# Altium PCB Cabinet_Device.PcbDoc (part 1 of 6) (continued)
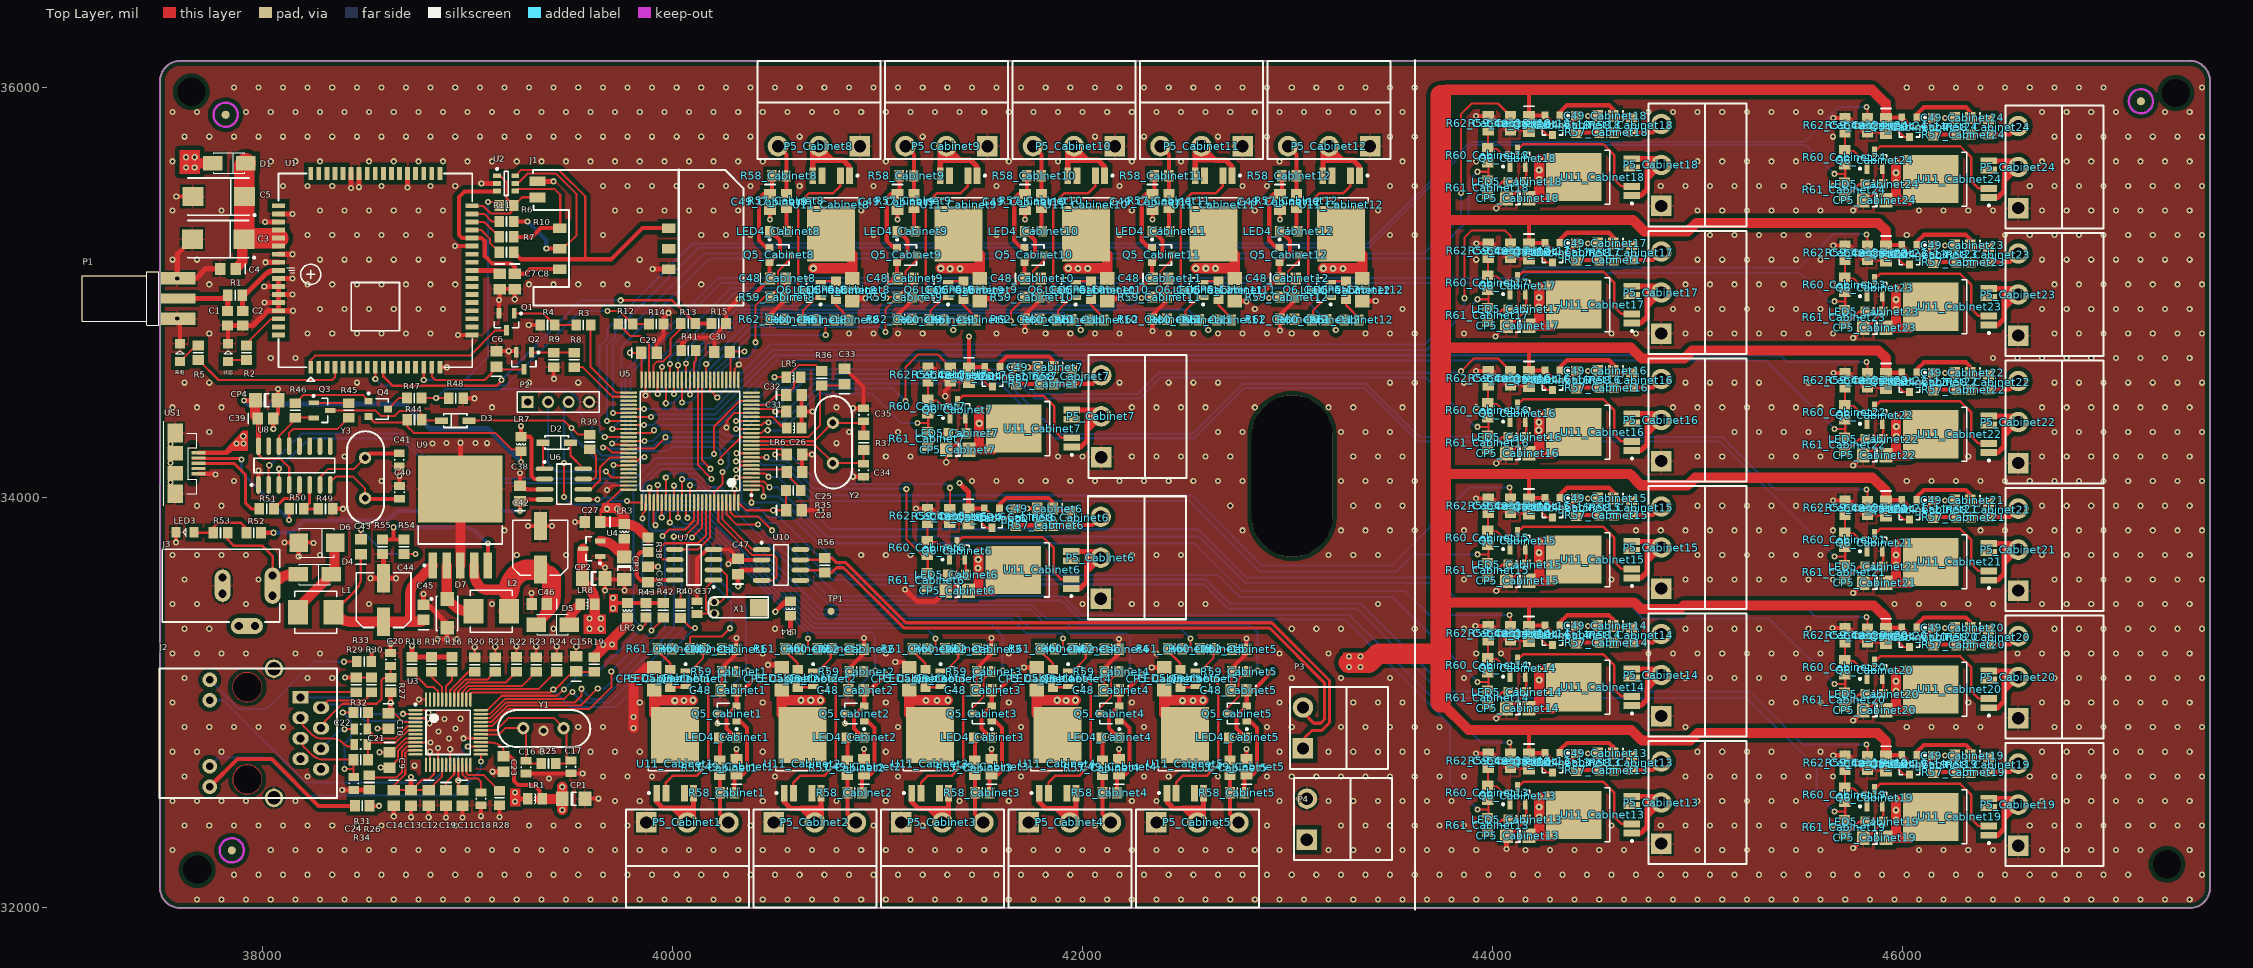
[diagram p0: Top Layer view]
## Components (designator, comment, footprint, x,y, rotation, side; value= is the part's Value field where it differs from the comment)
C1 "NC" 2012[0805] 37829,34874.5 r270 top
C2 "NC" 2012[0805] 37904,34874.5 r270 top
C3 "1000uF/6.3V" 7343[2917]CT 37784,35260.5 r180 top
C4 "CAP 100nF 50V 0805(2012)" 2012[0805]06CD 37831,35115.59 r180 top
C5 "1000uF/6.3V" 7343[2917]CT 37786,35468 r180 top
C6 "CAP 100nF 50V 0805(2012)" 2012[0805]06CD 39142,34676 r90 top
C7 "CAP 100nF 50V 0805(2012)" 2012[0805]06CD 39157,35054 r270 top
C8 "CAP 100nF 50V 0805(2012)" 2012[0805]06CD 39230,35054 r270 top
C9 "CAP 100nF 50V 0805(2012)" 2012[0805]06CD 38620,32720 r270 top
C10 "CAP 100nF 50V 0805(2012)" 2012[0805]06CD 38615,32910 r270 top
C11 "CAP 100nF 50V 0805(2012)" 2012[0805]06CD 38975.43,32535 r270 top
C12 "CAP 100nF 50V 0805(2012)" 2012[0805]06CD 38810.43,32535 r270 top
C13 "CAP 100nF 50V 0805(2012)" 2012[0805]06CD 38723.76,32535 r270 top
C14 "CAP 100nF 50V 0805(2012)" 2012[0805]06CD 38640,32535 r270 top
C15 "CAP 100nF 50V 0805(2012)" 2012[0805]06CD 39530,33189 r90 top
C16 "CAP 18pF 50V 0805(2012)" 2012[0805]100_L 39285,32685 r90 top
C17 "CAP 18pF 50V 0805(2012)" 2012[0805]100_L 39504,32686 r90 top
C18 "CAP 10nF 50V 0805(2012)" 2012[0805]100_L 39065.43,32530 r90 top
C19 "CAP 4.7uF 50V 0805(2012)" 2012[0805]13CD 38895,32535 r270 top
C20 "CAP 22nF 50V 0805(2012)" 2012[0805]100_L 38625,33210 r270 top
C21 "CAP 6.8nF 50V 0805(2012)" 2012[0805]100_L 38478.76,32796.24 r180 top
C22 "CAP 6.8nF 50V 0805(2012)" 2012[0805]100_L 38478.76,32871.24 r180 top
C23 "CAP 100nF 50V 0805(2012)" 2012[0805]06CD 39175,32700 r270 top
C24 "CAP 10nF 50V 0805(2012)" 2012[0805]100_L 38445,32605 r90 top
C25 "CAP 100nF 50V 0805(2012)" 2012[0805]06CD 40594,34124 r0 top
C26 "CAP 100nF 50V 0805(2012)" 2012[0805]06CD 40594,34210 r0 top
C27 "CAP 100nF 50V 0805(2012)" 2012[0805]06CD 39610,33880 r180 top
C28 "CAP 100nF 50V 0805(2012)" 2012[0805]06CD 40592,33938 r0 top
C29 "CAP 100nF 50V 0805(2012)" 2012[0805]06CD 39885,34706 r0 top
C30 "CAP 100nF 50V 0805(2012)" 2012[0805]06CD 40241,34709 r180 top
C31 "CAP 100nF 50V 0805(2012)" 2012[0805]06CD 40593,34419 r0 top
C32 "CAP 100nF 50V 0805(2012)" 2012[0805]06CD 40592,34501 r0 top
C33 "CAP 100nF 50V 0805(2012)" 2012[0805]06CD 40839,34591 r90 top
C34 "CAP 18pF 50V 0805(2012)" 2012[0805]100_L 40932,34133 r270 top
C35 "CAP 18pF 50V 0805(2012)" 2012[0805]100_L 40932,34404 r90 top
C36 "CAP 100nF 50V 0805(2012)" 2012[0805]06CD 39880,33625 r90 top
C37 "CAP 18pF 50V 0805(2012)" 2012[0805]100_L 40119,33463 r90 top
C38 "CAP 100nF 50V 0805(2012)" 2012[0805]06CD 39255,34020 r90 top
C39 "CAP 100nF 50V 0805(2012)" 2012[0805]06CD 38015,34385 r0 top
C40 "CAP 18pF 50V 0805(2012)" 2012[0805]100_L 38668,34025 r90 top
C41 "CAP 18pF 50V 0805(2012)" 2012[0805]100_L 38667,34184 r270 top
C42 "UUD1A101MCL1GS" NIC-CAPA2-6.3X5.8_V 39355,33755 r90 top
C43 "CAP 100nF 50V 0805(2012)" 2012[0805]06CD 38480,33760 r90 top
C44 "UUD1E101MCL1GS" NIC-CAPA2-6.3X7.7_V 38590,33500 r90 top
C45 "CAP 100nF 50V 0805(2012)" 2012[0805]06CD 38785,33440 r90 top
C46 "CAP 100nF 50V 0805(2012)" 2012[0805]06CD 39350,33480 r180 top
C47 "0.1uF" 2012[0805]06CD 40320,33663 r90 top
C48_Cabinet1 "CAP 100nF 50V 0805(2012)" 2012[0805]06CD 40272.57,33060 r180 top (schematic designator C48)
C48_Cabinet2 "CAP 100nF 50V 0805(2012)" 2012[0805]06CD 40894.57,33060 r180 top (schematic designator C48)
C48_Cabinet3 "CAP 100nF 50V 0805(2012)" 2012[0805]06CD 41516.57,33060 r180 top (schematic designator C48)
C48_Cabinet4 "CAP 100nF 50V 0805(2012)" 2012[0805]06CD 42138.57,33060 r180 top (schematic designator C48)
C48_Cabinet5 "CAP 100nF 50V 0805(2012)" 2012[0805]06CD 42760.57,33060 r180 top (schematic designator C48)
C48_Cabinet6 "CAP 100nF 50V 0805(2012)" 2012[0805]06CD 41443.54,33906.76 r270 top (schematic designator C48)
C48_Cabinet7 "CAP 100nF 50V 0805(2012)" 2012[0805]06CD 41446,34596.57 r270 top (schematic designator C48)
C48_Cabinet8 "CAP 100nF 50V 0805(2012)" 2012[0805]06CD 40513.43,35069 r0 top (schematic designator C48)
C48_Cabinet9 "CAP 100nF 50V 0805(2012)" 2012[0805]06CD 41135.43,35069 r0 top (schematic designator C48)
C48_Cabinet10 "CAP 100nF 50V 0805(2012)" 2012[0805]06CD 41757.43,35069 r0 top (schematic designator C48)
C48_Cabinet11 "CAP 100nF 50V 0805(2012)" 2012[0805]06CD 42379.43,35069 r0 top (schematic designator C48)
C48_Cabinet12 "CAP 100nF 50V 0805(2012)" 2012[0805]06CD 43001.43,35069 r0 top (schematic designator C48)
C48_Cabinet13 "CAP 100nF 50V 0805(2012)" 2012[0805]06CD 44178,32712.57 r270 top (schematic designator C48)
C48_Cabinet14 "CAP 100nF 50V 0805(2012)" 2012[0805]06CD 44178,33334.57 r270 top (schematic designator C48)
C48_Cabinet15 "CAP 100nF 50V 0805(2012)" 2012[0805]06CD 44178,33956.57 r270 top (schematic designator C48)
C48_Cabinet16 "CAP 100nF 50V 0805(2012)" 2012[0805]06CD 44178,34578.57 r270 top (schematic designator C48)
C48_Cabinet17 "CAP 100nF 50V 0805(2012)" 2012[0805]06CD 44178,35200.57 r270 top (schematic designator C48)
C48_Cabinet18 "CAP 100nF 50V 0805(2012)" 2012[0805]06CD 44178,35822.57 r270 top (schematic designator C48)
C48_Cabinet19 "CAP 100nF 50V 0805(2012)" 2012[0805]06CD 45919,32702.57 r270 top (schematic designator C48)
C48_Cabinet20 "CAP 100nF 50V 0805(2012)" 2012[0805]06CD 45919,33324.57 r270 top (schematic designator C48)
C48_Cabinet21 "CAP 100nF 50V 0805(2012)" 2012[0805]06CD 45919,33946.57 r270 top (schematic designator C48)
C48_Cabinet22 "CAP 100nF 50V 0805(2012)" 2012[0805]06CD 45919,34568.57 r270 top (schematic designator C48)
C48_Cabinet23 "CAP 100nF 50V 0805(2012)" 2012[0805]06CD 45919,35190.57 r270 top (schematic designator C48)
C48_Cabinet24 "CAP 100nF 50V 0805(2012)" 2012[0805]06CD 45919,35812.57 r270 top (schematic designator C48)
C49_Cabinet1 "CAP 100nF 50V 0805(2012)" 2012[0805]06CD 40311.57,32687 r90 top (schematic designator C49)
C49_Cabinet2 "CAP 100nF 50V 0805(2012)" 2012[0805]06CD 40933.57,32687 r90 top (schematic designator C49)
C49_Cabinet3 "CAP 100nF 50V 0805(2012)" 2012[0805]06CD 41555.57,32687 r90 top (schematic designator C49)
C49_Cabinet4 "CAP 100nF 50V 0805(2012)" 2012[0805]06CD 42177.57,32687 r90 top (schematic designator C49)
C49_Cabinet5 "CAP 100nF 50V 0805(2012)" 2012[0805]06CD 42799.57,32687 r90 top (schematic designator C49)
C49_Cabinet6 "CAP 100nF 50V 0805(2012)" 2012[0805]06CD 41816.54,33945.76 r180 top (schematic designator C49)
C49_Cabinet7 "CAP 100nF 50V 0805(2012)" 2012[0805]06CD 41819,34635.57 r180 top (schematic designator C49)
C49_Cabinet8 "CAP 100nF 50V 0805(2012)" 2012[0805]06CD 40474.43,35442 r270 top (schematic designator C49)
C49_Cabinet9 "CAP 100nF 50V 0805(2012)" 2012[0805]06CD 41096.43,35442 r270 top (schematic designator C49)
C49_Cabinet10 "CAP 100nF 50V 0805(2012)" 2012[0805]06CD 41718.43,35442 r270 top (schematic designator C49)
C49_Cabinet11 "CAP 100nF 50V 0805(2012)" 2012[0805]06CD 42340.43,35442 r270 top (schematic designator C49)
C49_Cabinet12 "CAP 100nF 50V 0805(2012)" 2012[0805]06CD 42962.43,35442 r270 top (schematic designator C49)
C49_Cabinet13 "CAP 100nF 50V 0805(2012)" 2012[0805]06CD 44551,32751.57 r180 top (schematic designator C49)
C49_Cabinet14 "CAP 100nF 50V 0805(2012)" 2012[0805]06CD 44551,33373.57 r180 top (schematic designator C49)
C49_Cabinet15 "CAP 100nF 50V 0805(2012)" 2012[0805]06CD 44551,33995.57 r180 top (schematic designator C49)
C49_Cabinet16 "CAP 100nF 50V 0805(2012)" 2012[0805]06CD 44551,34617.57 r180 top (schematic designator C49)
C49_Cabinet17 "CAP 100nF 50V 0805(2012)" 2012[0805]06CD 44551,35239.57 r180 top (schematic designator C49)
C49_Cabinet18 "CAP 100nF 50V 0805(2012)" 2012[0805]06CD 44551,35861.57 r180 top (schematic designator C49)
C49_Cabinet19 "CAP 100nF 50V 0805(2012)" 2012[0805]06CD 46292,32741.57 r180 top (schematic designator C49)
C49_Cabinet20 "CAP 100nF 50V 0805(2012)" 2012[0805]06CD 46292,33363.57 r180 top (schematic designator C49)
C49_Cabinet21 "CAP 100nF 50V 0805(2012)" 2012[0805]06CD 46292,33985.57 r180 top (schematic designator C49)
C49_Cabinet22 "CAP 100nF 50V 0805(2012)" 2012[0805]06CD 46292,34607.57 r180 top (schematic designator C49)
C49_Cabinet23 "CAP 100nF 50V 0805(2012)" 2012[0805]06CD 46292,35229.57 r180 top (schematic designator C49)
C49_Cabinet24 "CAP 100nF 50V 0805(2012)" 2012[0805]06CD 46292,35851.57 r180 top (schematic designator C49)
CP1 "TAJA106K016RNJ" 3216[1206]CB 39517,32531 r0 top
CP2 "TAJA106K016RNJ" 3216[1206]CB 39615,33605 r0 top
CP3 "TAJA106K016RNJ" 3216[1206]CB 39765,33655 r270 top
CP4 "TAJA106K016RNJ" 3216[1206]CB 38020,34474 r0 top
CP5_Cabinet1 "TAJA106K016RNJ" 3216[1206]CB 39910.13,33116 r90 top (schematic designator CP5)
CP5_Cabinet2 "TAJA106K016RNJ" 3216[1206]CB 40532.13,33116 r90 top (schematic designator CP5)
CP5_Cabinet3 "TAJA106K016RNJ" 3216[1206]CB 41154.13,33116 r90 top (schematic designator CP5)
CP5_Cabinet4 "TAJA106K016RNJ" 3216[1206]CB 41776.13,33116 r90 top (schematic designator CP5)
CP5_Cabinet5 "TAJA106K016RNJ" 3216[1206]CB 42398.13,33116 r90 top (schematic designator CP5)
CP5_Cabinet6 "TAJA106K016RNJ" 3216[1206]CB 41387.54,33544.33 r180 top (schematic designator CP5)
CP5_Cabinet7 "TAJA106K016RNJ" 3216[1206]CB 41390,34234.13 r180 top (schematic designator CP5)
CP5_Cabinet8 "TAJA106K016RNJ" 3216[1206]CB 40875.87,35013 r270 top (schematic designator CP5)
CP5_Cabinet9 "TAJA106K016RNJ" 3216[1206]CB 41497.87,35013 r270 top (schematic designator CP5)
CP5_Cabinet10 "TAJA106K016RNJ" 3216[1206]CB 42119.87,35013 r270 top (schematic designator CP5)
CP5_Cabinet11 "TAJA106K016RNJ" 3216[1206]CB 42741.87,35013 r270 top (schematic designator CP5)
CP5_Cabinet12 "TAJA106K016RNJ" 3216[1206]CB 43363.87,35013 r270 top (schematic designator CP5)
CP5_Cabinet13 "TAJA106K016RNJ" 3216[1206]CB 44122,32350.13 r180 top (schematic designator CP5)
CP5_Cabinet14 "TAJA106K016RNJ" 3216[1206]CB 44122,32972.13 r180 top (schematic designator CP5)
CP5_Cabinet15 "TAJA106K016RNJ" 3216[1206]CB 44122,33594.13 r180 top (schematic designator CP5)
CP5_Cabinet16 "TAJA106K016RNJ" 3216[1206]CB 44122,34216.13 r180 top (schematic designator CP5)
CP5_Cabinet17 "TAJA106K016RNJ" 3216[1206]CB 44122,34838.13 r180 top (schematic designator CP5)
CP5_Cabinet18 "TAJA106K016RNJ" 3216[1206]CB 44122,35460.13 r180 top (schematic designator CP5)
CP5_Cabinet19 "TAJA106K016RNJ" 3216[1206]CB 45863,32340.13 r180 top (schematic designator CP5)
CP5_Cabinet20 "TAJA106K016RNJ" 3216[1206]CB 45863,32962.13 r180 top (schematic designator CP5)
CP5_Cabinet21 "TAJA106K016RNJ" 3216[1206]CB 45863,33584.13 r180 top (schematic designator CP5)
CP5_Cabinet22 "TAJA106K016RNJ" 3216[1206]CB 45863,34206.13 r180 top (schematic designator CP5)
CP5_Cabinet23 "TAJA106K016RNJ" 3216[1206]CB 45863,34828.13 r180 top (schematic designator CP5)
CP5_Cabinet24 "TAJA106K016RNJ" 3216[1206]CB 45863,35450.13 r180 top (schematic designator CP5)
D1 "1N4007" DO-214AC/SMA 37838,35631.59 r0 top
D2 "1N4148W-V-GS08" SOD123 39435,34268 r0 top
D3 "1N4148(T4)" SOD123 38940,34375 r180 top
D4 "1N4007" DO-214AC/SMA 38255,33625 r0 top
D5 "1N4007" DO-214AC/SMA 39415,33380 r0 top
D6 "SMBJ33CA" DO-214AA/SMB 38265,33780 r0 top
D7 "SS14-E3/5AT" VISH-DO-214AC-2_V 38900,33435 r90 top
Designator2 "Comment" Mark 37850,32279 r180 bottom
Designator3 "Comment" Mark 37820,35867 r180 bottom
Designator4 "Comment" Mark 47162,35933 r180 bottom
J1 "MUP-C745" SIM_MUP-C745 39450,35114 r90 top
J2 "HR911105A" HR911105A 37756.35,32866.24 r180 top
J3 "PWR2.5" KLD-0202 37510,33570 r0 top
L1 "SLF7045T-330M1R1-H" INDP5050X28N 38260,33440 r0 top
L2 "SLF7045T-330M1R1-H" INDP5050X28N 39115,33445 r0 top
LED3 "LED-R" 0805LED 37622,33830 r180 top
LED4_Cabinet1 "LED-G" 0805LED 40268.57,32830 r180 top (schematic designator LED4)
LED4_Cabinet2 "LED-G" 0805LED 40890.57,32830 r180 top (schematic designator LED4)
LED4_Cabinet3 "LED-G" 0805LED 41512.57,32830 r180 top (schematic designator LED4)
LED4_Cabinet4 "LED-G" 0805LED 42134.57,32830 r180 top (schematic designator LED4)
LED4_Cabinet5 "LED-G" 0805LED 42756.57,32830 r180 top (schematic designator LED4)
LED4_Cabinet6 "LED-G" 0805LED 41673.54,33902.76 r270 top (schematic designator LED4)
LED4_Cabinet7 "LED-G" 0805LED 41676,34592.57 r270 top (schematic designator LED4)
LED4_Cabinet8 "LED-G" 0805LED 40517.43,35299 r0 top (schematic designator LED4)
LED4_Cabinet9 "LED-G" 0805LED 41139.43,35299 r0 top (schematic designator LED4)
LED4_Cabinet10 "LED-G" 0805LED 41761.43,35299 r0 top (schematic designator LED4)
LED4_Cabinet11 "LED-G" 0805LED 42383.43,35299 r0 top (schematic designator LED4)
LED4_Cabinet12 "LED-G" 0805LED 43005.43,35299 r0 top (schematic designator LED4)
LED4_Cabinet13 "LED-G" 0805LED 44408,32708.57 r270 top (schematic designator LED4)
LED4_Cabinet14 "LED-G" 0805LED 44408,33330.57 r270 top (schematic designator LED4)
LED4_Cabinet15 "LED-G" 0805LED 44408,33952.57 r270 top (schematic designator LED4)
LED4_Cabinet16 "LED-G" 0805LED 44408,34574.57 r270 top (schematic designator LED4)
LED4_Cabinet17 "LED-G" 0805LED 44408,35196.57 r270 top (schematic designator LED4)
LED4_Cabinet18 "LED-G" 0805LED 44408,35818.57 r270 top (schematic designator LED4)
LED4_Cabinet19 "LED-G" 0805LED 46149,32698.57 r270 top (schematic designator LED4)
LED4_Cabinet20 "LED-G" 0805LED 46149,33320.57 r270 top (schematic designator LED4)
LED4_Cabinet21 "LED-G" 0805LED 46149,33942.57 r270 top (schematic designator LED4)
LED4_Cabinet22 "LED-G" 0805LED 46149,34564.57 r270 top (schematic designator LED4)
LED4_Cabinet23 "LED-G" 0805LED 46149,35186.57 r270 top (schematic designator LED4)
LED4_Cabinet24 "LED-G" 0805LED 46149,35808.57 r270 top (schematic designator LED4)
LED5_Cabinet1 "LED-R" 0805LED 39989.13,33118 r270 top (schematic designator LED5)
LED5_Cabinet2 "LED-R" 0805LED 40611.13,33118 r270 top (schematic designator LED5)
LED5_Cabinet3 "LED-R" 0805LED 41233.13,33118 r270 top (schematic designator LED5)
LED5_Cabinet4 "LED-R" 0805LED 41855.13,33118 r270 top (schematic designator LED5)
LED5_Cabinet5 "LED-R" 0805LED 42477.13,33118 r270 top (schematic designator LED5)
LED5_Cabinet6 "LED-R" 0805LED 41385.54,33623.33 r0 top (schematic designator LED5)
LED5_Cabinet7 "LED-R" 0805LED 41388,34313.13 r0 top (schematic designator LED5)
LED5_Cabinet8 "LED-R" 0805LED 40796.87,35011 r90 top (schematic designator LED5)
LED5_Cabinet9 "LED-R" 0805LED 41418.87,35011 r90 top (schematic designator LED5)
LED5_Cabinet10 "LED-R" 0805LED 42040.87,35011 r90 top (schematic designator LED5)
LED5_Cabinet11 "LED-R" 0805LED 42662.87,35011 r90 top (schematic designator LED5)
LED5_Cabinet12 "LED-R" 0805LED 43284.87,35011 r90 top (schematic designator LED5)
LED5_Cabinet13 "LED-R" 0805LED 44120,32429.13 r0 top (schematic designator LED5)
LED5_Cabinet14 "LED-R" 0805LED 44120,33051.13 r0 top (schematic designator LED5)
LED5_Cabinet15 "LED-R" 0805LED 44120,33673.13 r0 top (schematic designator LED5)
LED5_Cabinet16 "LED-R" 0805LED 44120,34295.13 r0 top (schematic designator LED5)
LED5_Cabinet17 "LED-R" 0805LED 44120,34917.13 r0 top (schematic designator LED5)
LED5_Cabinet18 "LED-R" 0805LED 44120,35539.13 r0 top (schematic designator LED5)
LED5_Cabinet19 "LED-R" 0805LED 45861,32419.13 r0 top (schematic designator LED5)
LED5_Cabinet20 "LED-R" 0805LED 45861,33041.13 r0 top (schematic designator LED5)
LED5_Cabinet21 "LED-R" 0805LED 45861,33663.13 r0 top (schematic designator LED5)
LED5_Cabinet22 "LED-R" 0805LED 45861,34285.13 r0 top (schematic designator LED5)
LED5_Cabinet23 "LED-R" 0805LED 45861,34907.13 r0 top (schematic designator LED5)
LED5_Cabinet24 "LED-R" 0805LED 45861,35529.13 r0 top (schematic designator LED5)
LR1 "MPZ2012S221A" 2012[0805]RL 39329,32530 r0 top
LR2 "MPZ2012S221A" 2012[0805]RL 39780,33450 r270 top
LR3 "MPZ2012S221A" 2012[0805]RL 39765,33835 r270 top
LR4 "MPZ2012S221A" 2012[0805]RL 40575,33458 r270 top
LR5 "MPZ2012S221A" 2012[0805]RL 40590,34587 r0 top
LR6 "MPZ2012S221A" 2012[0805]RL 40593,34339 r0 top
LR7 "MPZ2012S221A" 2012[0805]RL 39261,34261 r270 top
LR8 "MPZ2012S221A" 2012[0805]RL 39585,33480 r0 top
P1 "COAX-M" SMA-2 37584,34970.5 r0 top
P2 "Header 4" HDR1X4 39293,34466 r0 top
P3 "2EDGR-5.08-2P" 2EDGR-5.08-2P 43075,32776 r90 top
P4 "2EDGR-5.08-2P" 2EDGR-5.08-2P 43094,32331 r90 top
P5_Cabinet1 "2EDGR-5.08-3P" 2EDGR-5.08-3P 39872,32415 r0 top (schematic designator P5)
P5_Cabinet2 "2EDGR-5.08-3P" 2EDGR-5.08-3P 40494,32415 r0 top (schematic designator P5)
P5_Cabinet3 "2EDGR-5.08-3P" 2EDGR-5.08-3P 41116,32415 r0 top (schematic designator P5)
P5_Cabinet4 "2EDGR-5.08-3P" 2EDGR-5.08-3P 41738,32415 r0 top (schematic designator P5)
P5_Cabinet5 "2EDGR-5.08-3P" 2EDGR-5.08-3P 42360,32415 r0 top (schematic designator P5)
P5_Cabinet6 "2EDGR-5.08-3P" 2EDGR-5.08-3P 42088.54,33506.2 r90 top (schematic designator P5)
P5_Cabinet7 "2EDGR-5.08-3P" 2EDGR-5.08-3P 42091,34196 r90 top (schematic designator P5)
P5_Cabinet8 "2EDGR-5.08-3P" 2EDGR-5.08-3P 40914,35714 r180 top (schematic designator P5)
P5_Cabinet9 "2EDGR-5.08-3P" 2EDGR-5.08-3P 41536,35714 r180 top (schematic designator P5)
P5_Cabinet10 "2EDGR-5.08-3P" 2EDGR-5.08-3P 42158,35714 r180 top (schematic designator P5)
P5_Cabinet11 "2EDGR-5.08-3P" 2EDGR-5.08-3P 42780,35714 r180 top (schematic designator P5)
P5_Cabinet12 "2EDGR-5.08-3P" 2EDGR-5.08-3P 43402,35714 r180 top (schematic designator P5)
P5_Cabinet13 "2EDGR-5.08-3P" 2EDGR-5.08-3P 44823,32312 r90 top (schematic designator P5)
P5_Cabinet14 "2EDGR-5.08-3P" 2EDGR-5.08-3P 44823,32934 r90 top (schematic designator P5)
P5_Cabinet15 "2EDGR-5.08-3P" 2EDGR-5.08-3P 44823,33556 r90 top (schematic designator P5)
P5_Cabinet16 "2EDGR-5.08-3P" 2EDGR-5.08-3P 44823,34178 r90 top (schematic designator P5)
P5_Cabinet17 "2EDGR-5.08-3P" 2EDGR-5.08-3P 44823,34800 r90 top (schematic designator P5)
P5_Cabinet18 "2EDGR-5.08-3P" 2EDGR-5.08-3P 44823,35422 r90 top (schematic designator P5)
P5_Cabinet19 "2EDGR-5.08-3P" 2EDGR-5.08-3P 46564,32302 r90 top (schematic designator P5)
P5_Cabinet20 "2EDGR-5.08-3P" 2EDGR-5.08-3P 46564,32924 r90 top (schematic designator P5)
P5_Cabinet21 "2EDGR-5.08-3P" 2EDGR-5.08-3P 46564,33546 r90 top (schematic designator P5)
P5_Cabinet22 "2EDGR-5.08-3P" 2EDGR-5.08-3P 46564,34168 r90 top (schematic designator P5)
P5_Cabinet23 "2EDGR-5.08-3P" 2EDGR-5.08-3P 46564,34790 r90 top (schematic designator P5)
P5_Cabinet24 "2EDGR-5.08-3P" 2EDGR-5.08-3P 46564,35412 r90 top (schematic designator P5)
Q1 "MMBT3904" SOT23_N 39190,34856.34 r180 top
Q2 "MMBT3904" SOT23_N 39275,34666.34 r180 top
Q3 "MMBT3904" SOT23_N 38290,34425 r270 top
Q4 "MMBT3906" SOT23B_N 38565,34432 r270 top
Q5_Cabinet1 "MMBT3906" SOT23B_N 40265.57,32946 r90 top (schematic designator Q5)
Q5_Cabinet2 "MMBT3906" SOT23B_N 40887.57,32946 r90 top (schematic designator Q5)
Q5_Cabinet3 "MMBT3906" SOT23B_N 41509.57,32946 r90 top (schematic designator Q5)
Q5_Cabinet4 "MMBT3906" SOT23B_N 42131.57,32946 r90 top (schematic designator Q5)
Q5_Cabinet5 "MMBT3906" SOT23B_N 42753.57,32946 r90 top (schematic designator Q5)
Q5_Cabinet6 "MMBT3906" SOT23B_N 41557.54,33899.76 r180 top (schematic designator Q5)
Q5_Cabinet7 "MMBT3906" SOT23B_N 41560,34589.57 r180 top (schematic designator Q5)
Q5_Cabinet8 "MMBT3906" SOT23B_N 40520.43,35183 r270 top (schematic designator Q5)
Q5_Cabinet9 "MMBT3906" SOT23B_N 41142.43,35183 r270 top (schematic designator Q5)
Q5_Cabinet10 "MMBT3906" SOT23B_N 41764.43,35183 r270 top (schematic designator Q5)
Q5_Cabinet11 "MMBT3906" SOT23B_N 42386.43,35183 r270 top (schematic designator Q5)
Q5_Cabinet12 "MMBT3906" SOT23B_N 43008.43,35183 r270 top (schematic designator Q5)
Q5_Cabinet13 "MMBT3906" SOT23B_N 44292,32705.57 r180 top (schematic designator Q5)
Q5_Cabinet14 "MMBT3906" SOT23B_N 44292,33327.57 r180 top (schematic designator Q5)
Q5_Cabinet15 "MMBT3906" SOT23B_N 44292,33949.57 r180 top (schematic designator Q5)
Q5_Cabinet16 "MMBT3906" SOT23B_N 44292,34571.57 r180 top (schematic designator Q5)
Q5_Cabinet17 "MMBT3906" SOT23B_N 44292,35193.57 r180 top (schematic designator Q5)
Q5_Cabinet18 "MMBT3906" SOT23B_N 44292,35815.57 r180 top (schematic designator Q5)
Q5_Cabinet19 "MMBT3906" SOT23B_N 46033,32695.57 r180 top (schematic designator Q5)
Q5_Cabinet20 "MMBT3906" SOT23B_N 46033,33317.57 r180 top (schematic designator Q5)
Q5_Cabinet21 "MMBT3906" SOT23B_N 46033,33939.57 r180 top (schematic designator Q5)
Q5_Cabinet22 "MMBT3906" SOT23B_N 46033,34561.57 r180 top (schematic designator Q5)
Q5_Cabinet23 "MMBT3906" SOT23B_N 46033,35183.57 r180 top (schematic designator Q5)
Q5_Cabinet24 "MMBT3906" SOT23B_N 46033,35805.57 r180 top (schematic designator Q5)
Q6_Cabinet1 "MMBT3904" SOT23_N 40105.13,33116 r270 top (schematic designator Q6)
Q6_Cabinet2 "MMBT3904" SOT23_N 40727.13,33116 r270 top (schematic designator Q6)
Q6_Cabinet3 "MMBT3904" SOT23_N 41349.13,33116 r270 top (schematic designator Q6)
Q6_Cabinet4 "MMBT3904" SOT23_N 41971.13,33116 r270 top (schematic designator Q6)
Q6_Cabinet5 "MMBT3904" SOT23_N 42593.13,33116 r270 top (schematic designator Q6)
Q6_Cabinet6 "MMBT3904" SOT23_N 41387.54,33739.33 r0 top (schematic designator Q6)
Q6_Cabinet7 "MMBT3904" SOT23_N 41390,34429.13 r0 top (schematic designator Q6)
Q6_Cabinet8 "MMBT3904" SOT23_N 40680.87,35013 r90 top (schematic designator Q6)
Q6_Cabinet9 "MMBT3904" SOT23_N 41302.87,35013 r90 top (schematic designator Q6)
Q6_Cabinet10 "MMBT3904" SOT23_N 41924.87,35013 r90 top (schematic designator Q6)
Q6_Cabinet11 "MMBT3904" SOT23_N 42546.87,35013 r90 top (schematic designator Q6)
Q6_Cabinet12 "MMBT3904" SOT23_N 43168.87,35013 r90 top (schematic designator Q6)
Q6_Cabinet13 "MMBT3904" SOT23_N 44122,32545.13 r0 top (schematic designator Q6)
Q6_Cabinet14 "MMBT3904" SOT23_N 44122,33167.13 r0 top (schematic designator Q6)
Q6_Cabinet15 "MMBT3904" SOT23_N 44122,33789.13 r0 top (schematic designator Q6)
Q6_Cabinet16 "MMBT3904" SOT23_N 44122,34411.13 r0 top (schematic designator Q6)
Q6_Cabinet17 "MMBT3904" SOT23_N 44122,35033.13 r0 top (schematic designator Q6)
Q6_Cabinet18 "MMBT3904" SOT23_N 44122,35655.13 r0 top (schematic designator Q6)
Q6_Cabinet19 "MMBT3904" SOT23_N 45863,32535.13 r0 top (schematic designator Q6)
Q6_Cabinet20 "MMBT3904" SOT23_N 45863,33157.13 r0 top (schematic designator Q6)
Q6_Cabinet21 "MMBT3904" SOT23_N 45863,33779.13 r0 top (schematic designator Q6)
Q6_Cabinet22 "MMBT3904" SOT23_N 45863,34401.13 r0 top (schematic designator Q6)
Q6_Cabinet23 "MMBT3904" SOT23_N 45863,35023.13 r0 top (schematic designator Q6)
Q6_Cabinet24 "MMBT3904" SOT23_N 45863,35645.13 r0 top (schematic designator Q6)
R1 "CRCW0603120RFKEA" 2012[0805]R 37866,34986.59 r0 top
R2 "1K 1% 0805(2012)" 2012[0805]R 37922,34706.5 r270 top
R3 "1K 1% 0805(2012)" 2012[0805]R 39565,34841.34 r0 top
R4 "10K 1% 0805(2012)" 2012[0805]R 39390,34841.34 r180 top
R5 "1K 1% 0805(2012)" 2012[0805]R 37687,34706.5 r90 top
R6 "CRCW0603100KFKEA" 2012[0805]R 39190,35424 r0 top
R7 "CRCW060322R0FKEA" 2012[0805]R 39190,35196.34 r0 top
R8 "1K 1% 0805(2012)" 2012[0805]R 39520,34671.34 r270 top
R9 "10K 1% 0805(2012)" 2012[0805]R 39420,34671.34 r270 top
R10 "CRCW060322R0FKEA" 2012[0805]R 39190,35271.34 r0 top
R11 "CRCW060322R0FKEA" 2012[0805]R 39190,35346.34 r0 top
R12 "CRCW06031K00FKEA" 2012[0805]R 39770.43,34846.34 r0 top
R13 "CRCW06031K00FKEA" 2012[0805]R 40075.57,34849 r0 top
R14 "CRCW060310K0FKEA" 2012[0805]R 39920.43,34846.34 r0 top
R15 "CRCW060310K0FKEA" 2012[0805]R 40225.57,34849 r0 top
R16 "10K 1% 0805(2012)" 2012[0805]R 38923.87,33186.24 r270 top
R17 "10K 1% 0805(2012)" 2012[0805]R 38823.87,33186.24 r270 top
R18 "10K 1% 0805(2012)" 2012[0805]R 38728.87,33186.24 r270 top
R19 "10K 1% 0805(2012)" 2012[0805]R 39618,33186 r270 top
R20 "10K 1% 0805(2012)" 2012[0805]R 39035,33185 r270 top
R21 "10K 1% 0805(2012)" 2012[0805]R 39135,33185 r270 top
R22 "10K 1% 0805(2012)" 2012[0805]R 39238.87,33186.24 r270 top
R23 "10K 1% 0805(2012)" 2012[0805]R 39335,33185 r270 top
R24 "10K 1% 0805(2012)" 2012[0805]R 39435,33185 r270 top
R25 "1M 1% 0805(2012)" 2012[0805]R 39395,32703 r0 top
R26 "12K4 1% 0805(2012)" 2012[0805]R 38520,32610 r90 top
R27 "10R 5% 0805(2012)" 2012[0805]R 38625,33085 r270 top
R28 "10K 1% 0805(2012)" 2012[0805]R 39155.43,32535 r270 top
R29 "51R 5% 0805(2012)" 2012[0805]R 38456.35,33086.24 r90 top
R30 "51R 5% 0805(2012)" 2012[0805]R 38531.35,33086.24 r90 top
R31 "82R 5% 0805(2012)" 2012[0805]R 38478.76,32721.24 r0 top
R32 "82R 5% 0805(2012)" 2012[0805]R 38478.76,32951.24 r0 top
R33 "270R 5% 0805(2012)" 2012[0805]R 38495.43,33200 r180 top
R34 "270R 5% 0805(2012)" 2012[0805]R 38486.35,32496.24 r180 top
R35 "1K 1% 0805(2012)" 2012[0805]R 40589,34034 r0 top
R36 "10K 1% 0805(2012)" 2012[0805]R 40728,34582 r90 top
R37 "10M 1% 0805(2012)" 2012[0805]R 40932,34267.57 r90 top
R38 "1K 1% 0805(2012)" 2012[0805]R 39880,33770 r270 top
R39 "CRCW0603120RFKEA" 2012[0805]R 39596,34271 r90 top
R40 "10R 5% 0805(2012)" 2012[0805]R 40039,33448 r90 top
R41 "10K 1% 0805(2012)" 2012[0805]R 40077,34717 r0 top
R42 "10K 1% 0805(2012)" 2012[0805]R 39955,33450 r270 top
R43 "10K 1% 0805(2012)" 2012[0805]R 39870,33450 r270 top
R44 "10K 1% 0805(2012)" 2012[0805]R 38741,34380 r180 top
R45 "1K 1% 0805(2012)" 2012[0805]R 38420,34425 r90 top
R46 "1K 1% 0805(2012)" 2012[0805]R 38160,34425 r90 top
R47 "1K 1% 0805(2012)" 2012[0805]R 38740,34485 r180 top
R48 "10K 1% 0805(2012)" 2012[0805]R 38943,34484 r180 top
R49 "CRCW0603300KFKEA" 2012[0805]R 38307,33945 r0 top
R50 "CRCW060322R0FKEA" 2012[0805]R 38165,33945 r180 top
R51 "CRCW060322R0FKEA" 2012[0805]R 38020,33945 r180 top
R52 "1K 1% 0805(2012)" 2012[0805]R 37957,33828 r180 top
R53 "10K 1% 0805(2012)" 2012[0805]R 37795,33828 r180 top
R54 "10K 1% 0805(2012)" 2012[0805]R 38690,33760 r90 top
R55 "10K 1% 0805(2012)" 2012[0805]R 38585,33760 r270 top
R56 "120R" 2012[0805]R 40742,33670 r270 top
R57_Cabinet1 "1K 1% 0805(2012)" 2012[0805]R 40230.57,32682 r90 top (schematic designator R57)
R57_Cabinet2 "1K 1% 0805(2012)" 2012[0805]R 40852.57,32682 r90 top (schematic designator R57)
R57_Cabinet3 "1K 1% 0805(2012)" 2012[0805]R 41474.57,32682 r90 top (schematic designator R57)
R57_Cabinet4 "1K 1% 0805(2012)" 2012[0805]R 42096.57,32682 r90 top (schematic designator R57)
R57_Cabinet5 "1K 1% 0805(2012)" 2012[0805]R 42718.57,32682 r90 top (schematic designator R57)
R57_Cabinet6 "1K 1% 0805(2012)" 2012[0805]R 41821.54,33864.76 r180 top (schematic designator R57)
R57_Cabinet7 "1K 1% 0805(2012)" 2012[0805]R 41824,34554.57 r180 top (schematic designator R57)
R57_Cabinet8 "1K 1% 0805(2012)" 2012[0805]R 40555.43,35447 r270 top (schematic designator R57)
R57_Cabinet9 "1K 1% 0805(2012)" 2012[0805]R 41177.43,35447 r270 top (schematic designator R57)
R57_Cabinet10 "1K 1% 0805(2012)" 2012[0805]R 41799.43,35447 r270 top (schematic designator R57)
R57_Cabinet11 "1K 1% 0805(2012)" 2012[0805]R 42421.43,35447 r270 top (schematic designator R57)
R57_Cabinet12 "1K 1% 0805(2012)" 2012[0805]R 43043.43,35447 r270 top (schematic designator R57)
R57_Cabinet13 "1K 1% 0805(2012)" 2012[0805]R 44556,32670.57 r180 top (schematic designator R57)
R57_Cabinet14 "1K 1% 0805(2012)" 2012[0805]R 44556,33292.57 r180 top (schematic designator R57)
R57_Cabinet15 "1K 1% 0805(2012)" 2012[0805]R 44556,33914.57 r180 top (schematic designator R57)
R57_Cabinet16 "1K 1% 0805(2012)" 2012[0805]R 44556,34536.57 r180 top (schematic designator R57)
R57_Cabinet17 "1K 1% 0805(2012)" 2012[0805]R 44556,35158.57 r180 top (schematic designator R57)
R57_Cabinet18 "1K 1% 0805(2012)" 2012[0805]R 44556,35780.57 r180 top (schematic designator R57)
R57_Cabinet19 "1K 1% 0805(2012)" 2012[0805]R 46297,32660.57 r180 top (schematic designator R57)
R57_Cabinet20 "1K 1% 0805(2012)" 2012[0805]R 46297,33282.57 r180 top (schematic designator R57)
R57_Cabinet21 "1K 1% 0805(2012)" 2012[0805]R 46297,33904.57 r180 top (schematic designator R57)
R57_Cabinet22 "1K 1% 0805(2012)" 2012[0805]R 46297,34526.57 r180 top (schematic designator R57)
R57_Cabinet23 "1K 1% 0805(2012)" 2012[0805]R 46297,35148.57 r180 top (schematic designator R57)
R57_Cabinet24 "1K 1% 0805(2012)" 2012[0805]R 46297,35770.57 r180 top (schematic designator R57)
R58_Cabinet1 "1K 1% 0805(2012)" 2012[0805]R 40266.57,32560 r180 top (schematic designator R58)
R58_Cabinet2 "1K 1% 0805(2012)" 2012[0805]R 40888.57,32560 r180 top (schematic designator R58)
R58_Cabinet3 "1K 1% 0805(2012)" 2012[0805]R 41510.57,32560 r180 top (schematic designator R58)
R58_Cabinet4 "1K 1% 0805(2012)" 2012[0805]R 42132.57,32560 r180 top (schematic designator R58)
R58_Cabinet5 "1K 1% 0805(2012)" 2012[0805]R 42754.57,32560 r180 top (schematic designator R58)
R58_Cabinet6 "1K 1% 0805(2012)" 2012[0805]R 41943.54,33900.76 r270 top (schematic designator R58)
R58_Cabinet7 "1K 1% 0805(2012)" 2012[0805]R 41946,34590.57 r270 top (schematic designator R58)
R58_Cabinet8 "1K 1% 0805(2012)" 2012[0805]R 40519.43,35569 r0 top (schematic designator R58)
R58_Cabinet9 "1K 1% 0805(2012)" 2012[0805]R 41141.43,35569 r0 top (schematic designator R58)
R58_Cabinet10 "1K 1% 0805(2012)" 2012[0805]R 41763.43,35569 r0 top (schematic designator R58)
R58_Cabinet11 "1K 1% 0805(2012)" 2012[0805]R 42385.43,35569 r0 top (schematic designator R58)
R58_Cabinet12 "1K 1% 0805(2012)" 2012[0805]R 43007.43,35569 r0 top (schematic designator R58)
R58_Cabinet13 "1K 1% 0805(2012)" 2012[0805]R 44678,32706.57 r270 top (schematic designator R58)
R58_Cabinet14 "1K 1% 0805(2012)" 2012[0805]R 44678,33328.57 r270 top (schematic designator R58)
R58_Cabinet15 "1K 1% 0805(2012)" 2012[0805]R 44678,33950.57 r270 top (schematic designator R58)
R58_Cabinet16 "1K 1% 0805(2012)" 2012[0805]R 44678,34572.57 r270 top (schematic designator R58)
R58_Cabinet17 "1K 1% 0805(2012)" 2012[0805]R 44678,35194.57 r270 top (schematic designator R58)
R58_Cabinet18 "1K 1% 0805(2012)" 2012[0805]R 44678,35816.57 r270 top (schematic designator R58)
R58_Cabinet19 "1K 1% 0805(2012)" 2012[0805]R 46419,32696.57 r270 top (schematic designator R58)
R58_Cabinet20 "1K 1% 0805(2012)" 2012[0805]R 46419,33318.57 r270 top (schematic designator R58)
R58_Cabinet21 "1K 1% 0805(2012)" 2012[0805]R 46419,33940.57 r270 top (schematic designator R58)
R58_Cabinet22 "1K 1% 0805(2012)" 2012[0805]R 46419,34562.57 r270 top (schematic designator R58)
R58_Cabinet23 "1K 1% 0805(2012)" 2012[0805]R 46419,35184.57 r270 top (schematic designator R58)
R58_Cabinet24 "1K 1% 0805(2012)" 2012[0805]R 46419,35806.57 r270 top (schematic designator R58)
R59_Cabinet1 "10K 1% 0805(2012)" 2012[0805]R 40275.57,33151 r0 top (schematic designator R59)
R59_Cabinet2 "10K 1% 0805(2012)" 2012[0805]R 40897.57,33151 r0 top (schematic designator R59)
R59_Cabinet3 "10K 1% 0805(2012)" 2012[0805]R 41519.57,33151 r0 top (schematic designator R59)
R59_Cabinet4 "10K 1% 0805(2012)" 2012[0805]R 42141.57,33151 r0 top (schematic designator R59)
R59_Cabinet5 "10K 1% 0805(2012)" 2012[0805]R 42763.57,33151 r0 top (schematic designator R59)
R59_Cabinet6 "10K 1% 0805(2012)" 2012[0805]R 41352.54,33909.76 r90 top (schematic designator R59)
R59_Cabinet7 "10K 1% 0805(2012)" 2012[0805]R 41355,34599.57 r90 top (schematic designator R59)
R59_Cabinet8 "10K 1% 0805(2012)" 2012[0805]R 40510.43,34978 r180 top (schematic designator R59)
R59_Cabinet9 "10K 1% 0805(2012)" 2012[0805]R 41132.43,34978 r180 top (schematic designator R59)
R59_Cabinet10 "10K 1% 0805(2012)" 2012[0805]R 41754.43,34978 r180 top (schematic designator R59)
R59_Cabinet11 "10K 1% 0805(2012)" 2012[0805]R 42376.43,34978 r180 top (schematic designator R59)
R59_Cabinet12 "10K 1% 0805(2012)" 2012[0805]R 42998.43,34978 r180 top (schematic designator R59)
R59_Cabinet13 "10K 1% 0805(2012)" 2012[0805]R 44087,32715.57 r90 top (schematic designator R59)
R59_Cabinet14 "10K 1% 0805(2012)" 2012[0805]R 44087,33337.57 r90 top (schematic designator R59)
R59_Cabinet15 "10K 1% 0805(2012)" 2012[0805]R 44087,33959.57 r90 top (schematic designator R59)
R59_Cabinet16 "10K 1% 0805(2012)" 2012[0805]R 44087,34581.57 r90 top (schematic designator R59)
R59_Cabinet17 "10K 1% 0805(2012)" 2012[0805]R 44087,35203.57 r90 top (schematic designator R59)
R59_Cabinet18 "10K 1% 0805(2012)" 2012[0805]R 44087,35825.57 r90 top (schematic designator R59)
R59_Cabinet19 "10K 1% 0805(2012)" 2012[0805]R 45828,32705.57 r90 top (schematic designator R59)
R59_Cabinet20 "10K 1% 0805(2012)" 2012[0805]R 45828,33327.57 r90 top (schematic designator R59)
R59_Cabinet21 "10K 1% 0805(2012)" 2012[0805]R 45828,33949.57 r90 top (schematic designator R59)
R59_Cabinet22 "10K 1% 0805(2012)" 2012[0805]R 45828,34571.57 r90 top (schematic designator R59)
R59_Cabinet23 "10K 1% 0805(2012)" 2012[0805]R 45828,35193.57 r90 top (schematic designator R59)
R59_Cabinet24 "10K 1% 0805(2012)" 2012[0805]R 45828,35815.57 r90 top (schematic designator R59)
R60_Cabinet1 "1K 1% 0805(2012)" 2012[0805]R 40120,33262 r180 top (schematic designator R60)
R60_Cabinet2 "1K 1% 0805(2012)" 2012[0805]R 40742,33262 r180 top (schematic designator R60)
R60_Cabinet3 "1K 1% 0805(2012)" 2012[0805]R 41364,33262 r180 top (schematic designator R60)
R60_Cabinet4 "1K 1% 0805(2012)" 2012[0805]R 41986,33262 r180 top (schematic designator R60)
R60_Cabinet5 "1K 1% 0805(2012)" 2012[0805]R 42608,33262 r180 top (schematic designator R60)
R60_Cabinet6 "1K 1% 0805(2012)" 2012[0805]R 41241.54,33754.2 r270 top (schematic designator R60)
R60_Cabinet7 "1K 1% 0805(2012)" 2012[0805]R 41244,34444 r270 top (schematic designator R60)
R60_Cabinet8 "1K 1% 0805(2012)" 2012[0805]R 40666,34867 r0 top (schematic designator R60)
R60_Cabinet9 "1K 1% 0805(2012)" 2012[0805]R 41288,34867 r0 top (schematic designator R60)
R60_Cabinet10 "1K 1% 0805(2012)" 2012[0805]R 41910,34867 r0 top (schematic designator R60)
R60_Cabinet11 "1K 1% 0805(2012)" 2012[0805]R 42532,34867 r0 top (schematic designator R60)
R60_Cabinet12 "1K 1% 0805(2012)" 2012[0805]R 43154,34867 r0 top (schematic designator R60)
R60_Cabinet13 "1K 1% 0805(2012)" 2012[0805]R 43976,32560 r270 top (schematic designator R60)
R60_Cabinet14 "1K 1% 0805(2012)" 2012[0805]R 43976,33182 r270 top (schematic designator R60)
R60_Cabinet15 "1K 1% 0805(2012)" 2012[0805]R 43976,33804 r270 top (schematic designator R60)
R60_Cabinet16 "1K 1% 0805(2012)" 2012[0805]R 43976,34426 r270 top (schematic designator R60)
R60_Cabinet17 "1K 1% 0805(2012)" 2012[0805]R 43976,35048 r270 top (schematic designator R60)
R60_Cabinet18 "1K 1% 0805(2012)" 2012[0805]R 43976,35670 r270 top (schematic designator R60)
R60_Cabinet19 "1K 1% 0805(2012)" 2012[0805]R 45717,32550 r270 top (schematic designator R60)